# Altium PCB Camera-M-PCB.PcbDoc (part 1 of 2)
Units mil, origin at the board's own origin, x right, y up, seen from the top; angles counter-clockwise.
Board outline 1377.95 x 1968.5 mil, 4 copper layers (Top Layer, GND02, ART03, Bottom Layer), stack 23.756 mil thick; 131 components, 85 nets, 466 pads, 261 vias.
Unrouted connection lines stored in the file: 96.
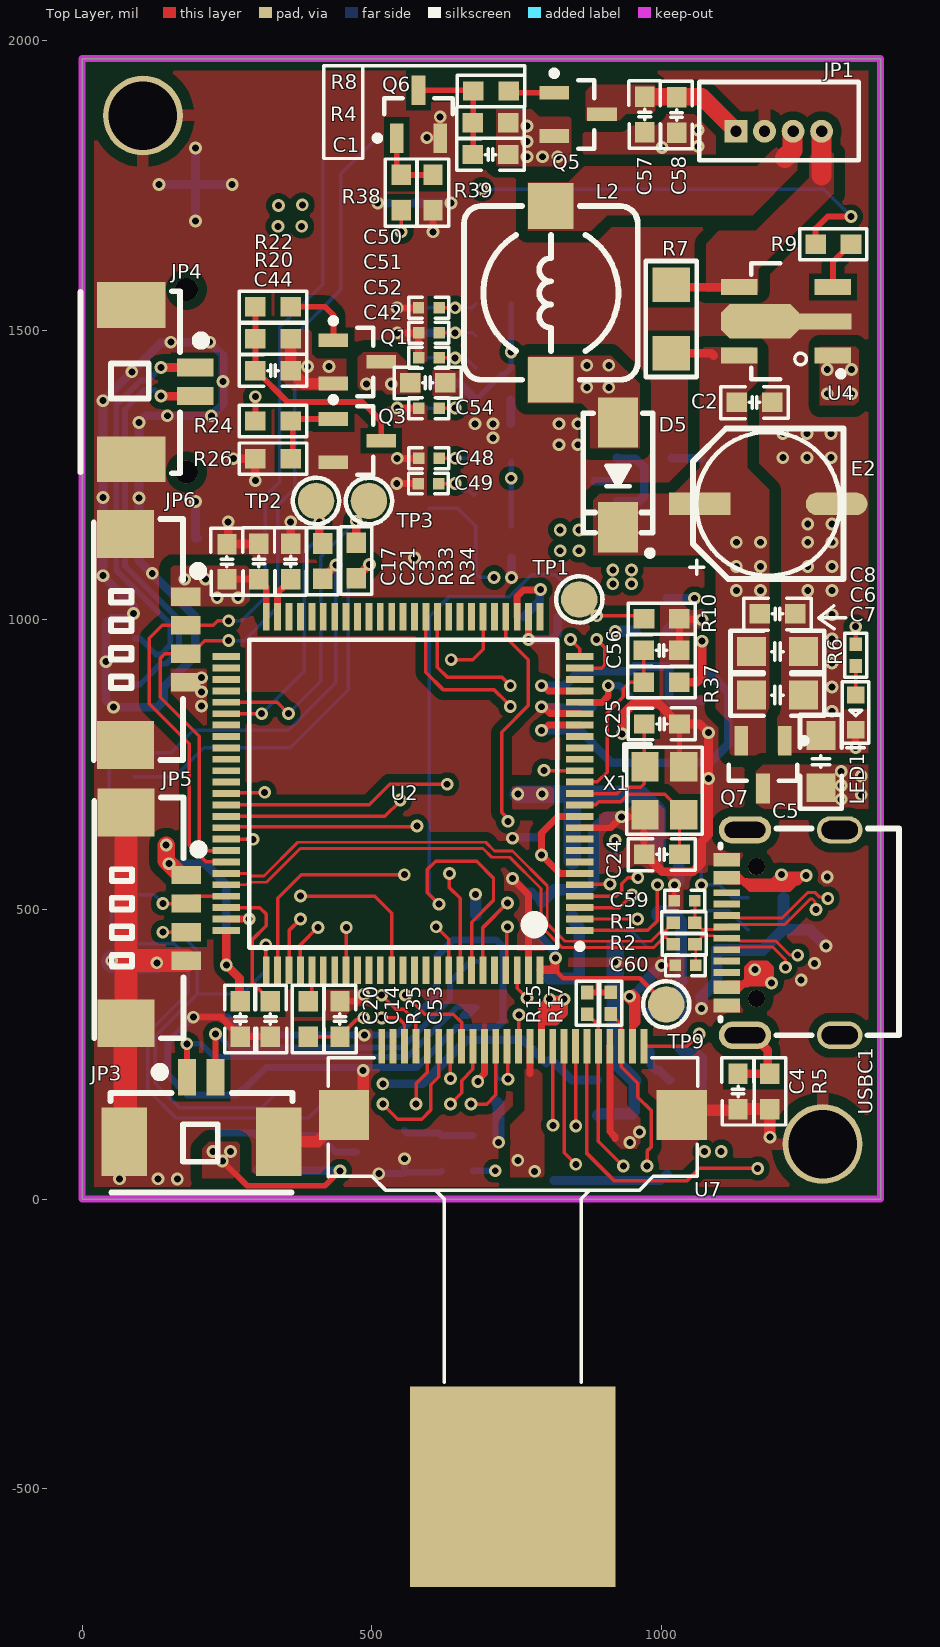
[diagram p0: Top Layer view]
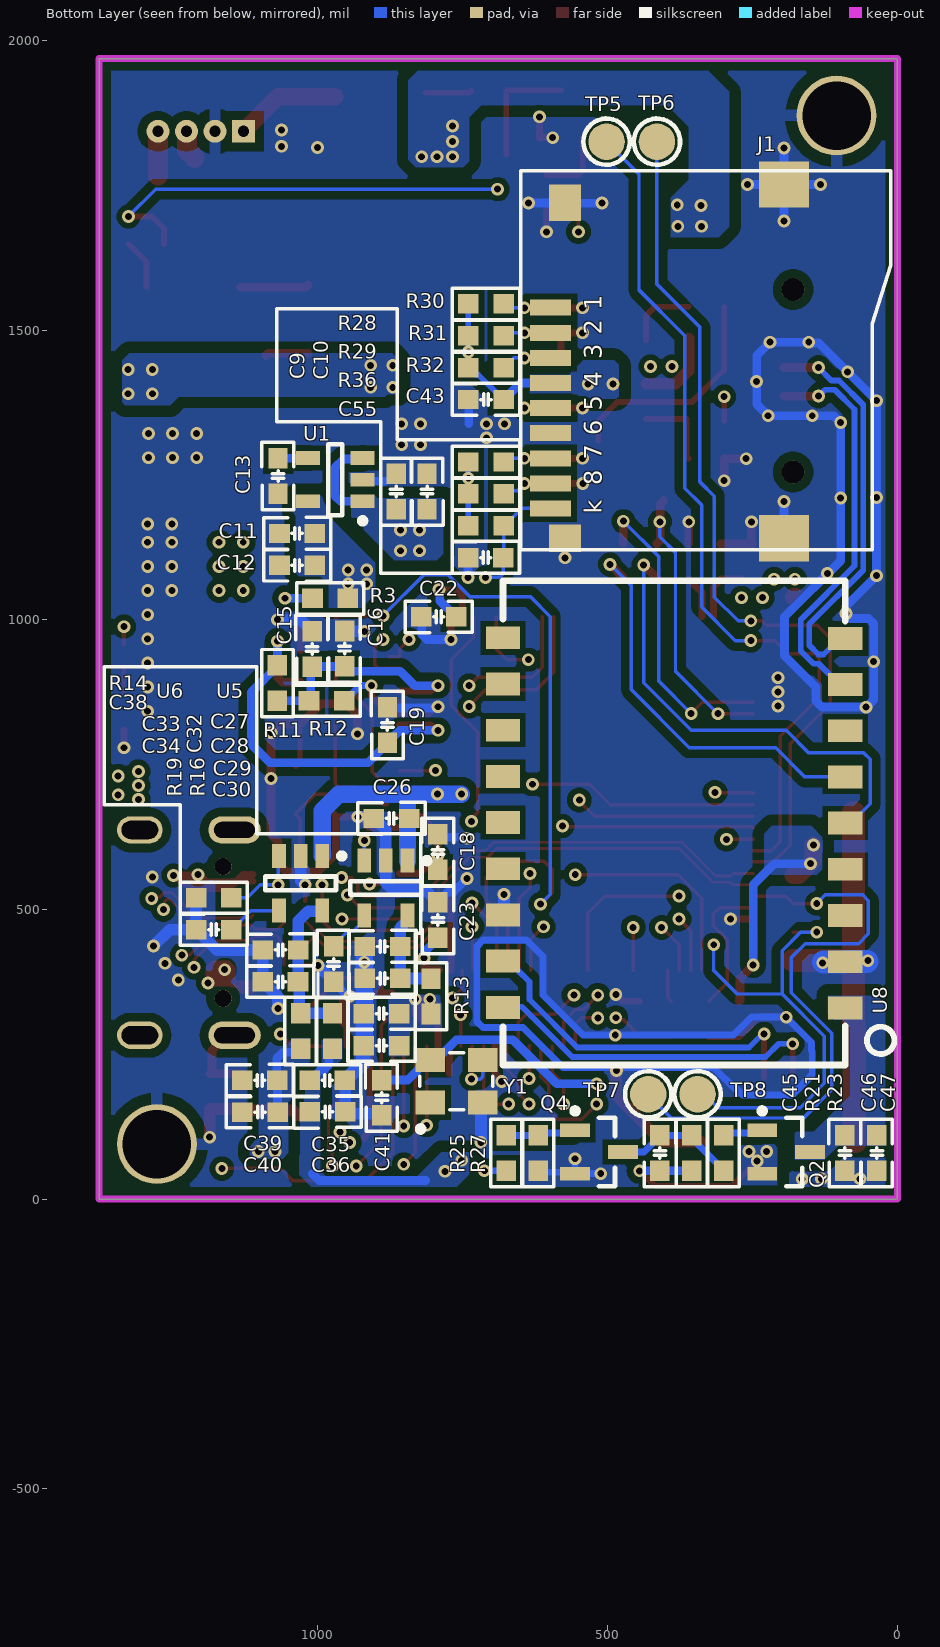
[diagram p1: Bottom Layer view, seen from below]
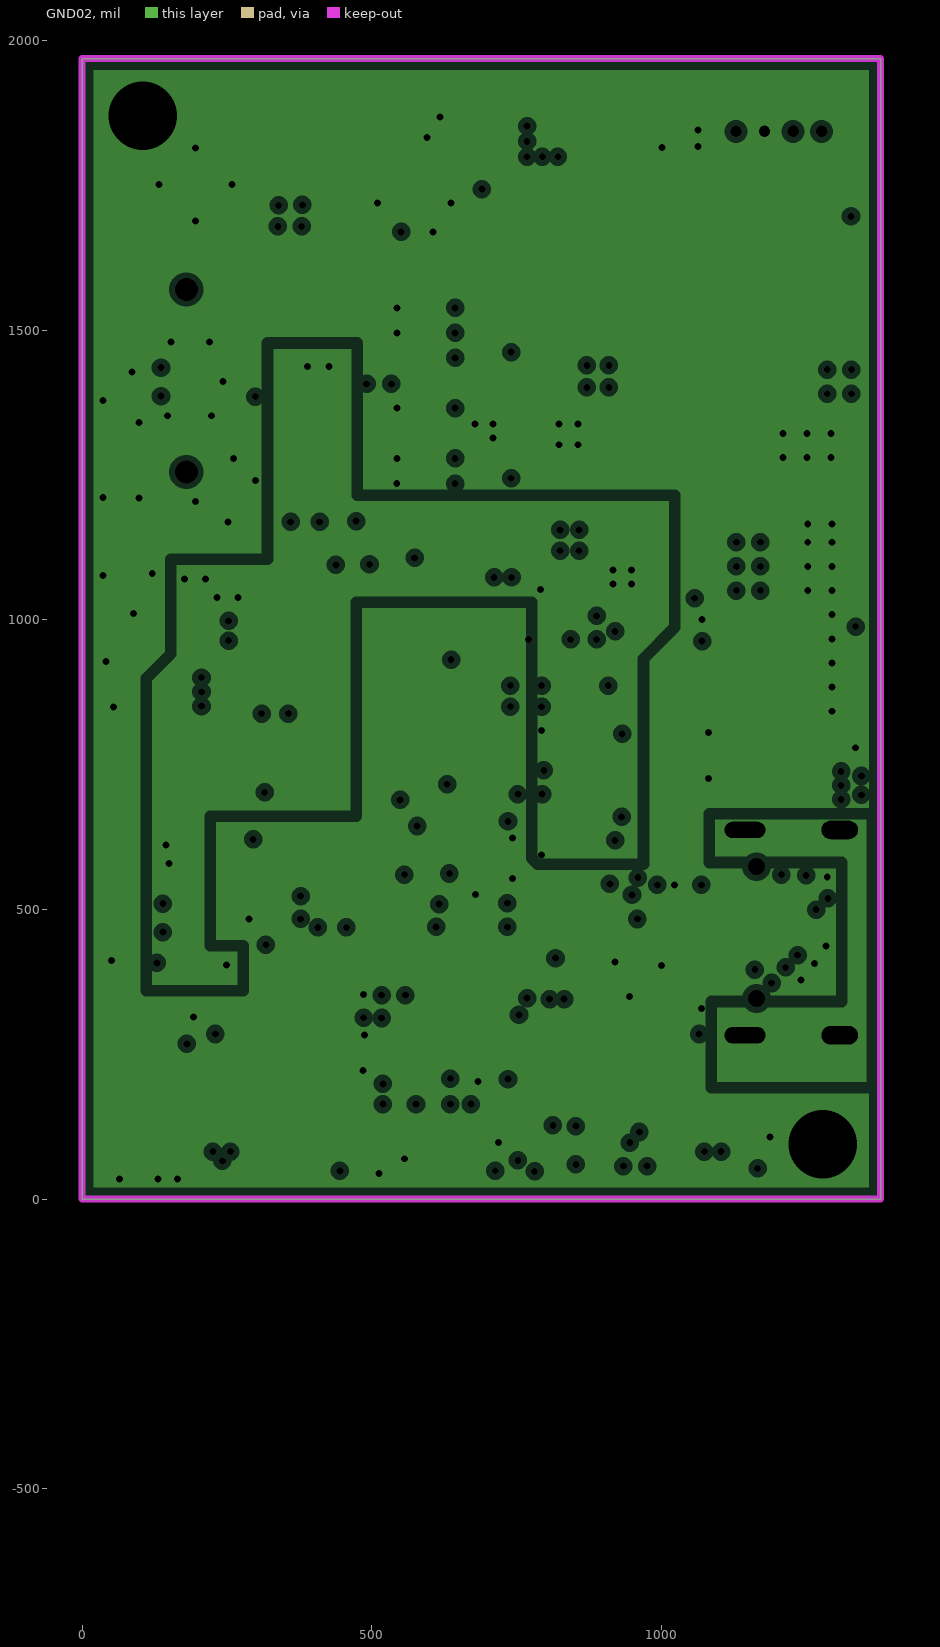
[diagram p2: GND02, clearances drawn from the general rule]
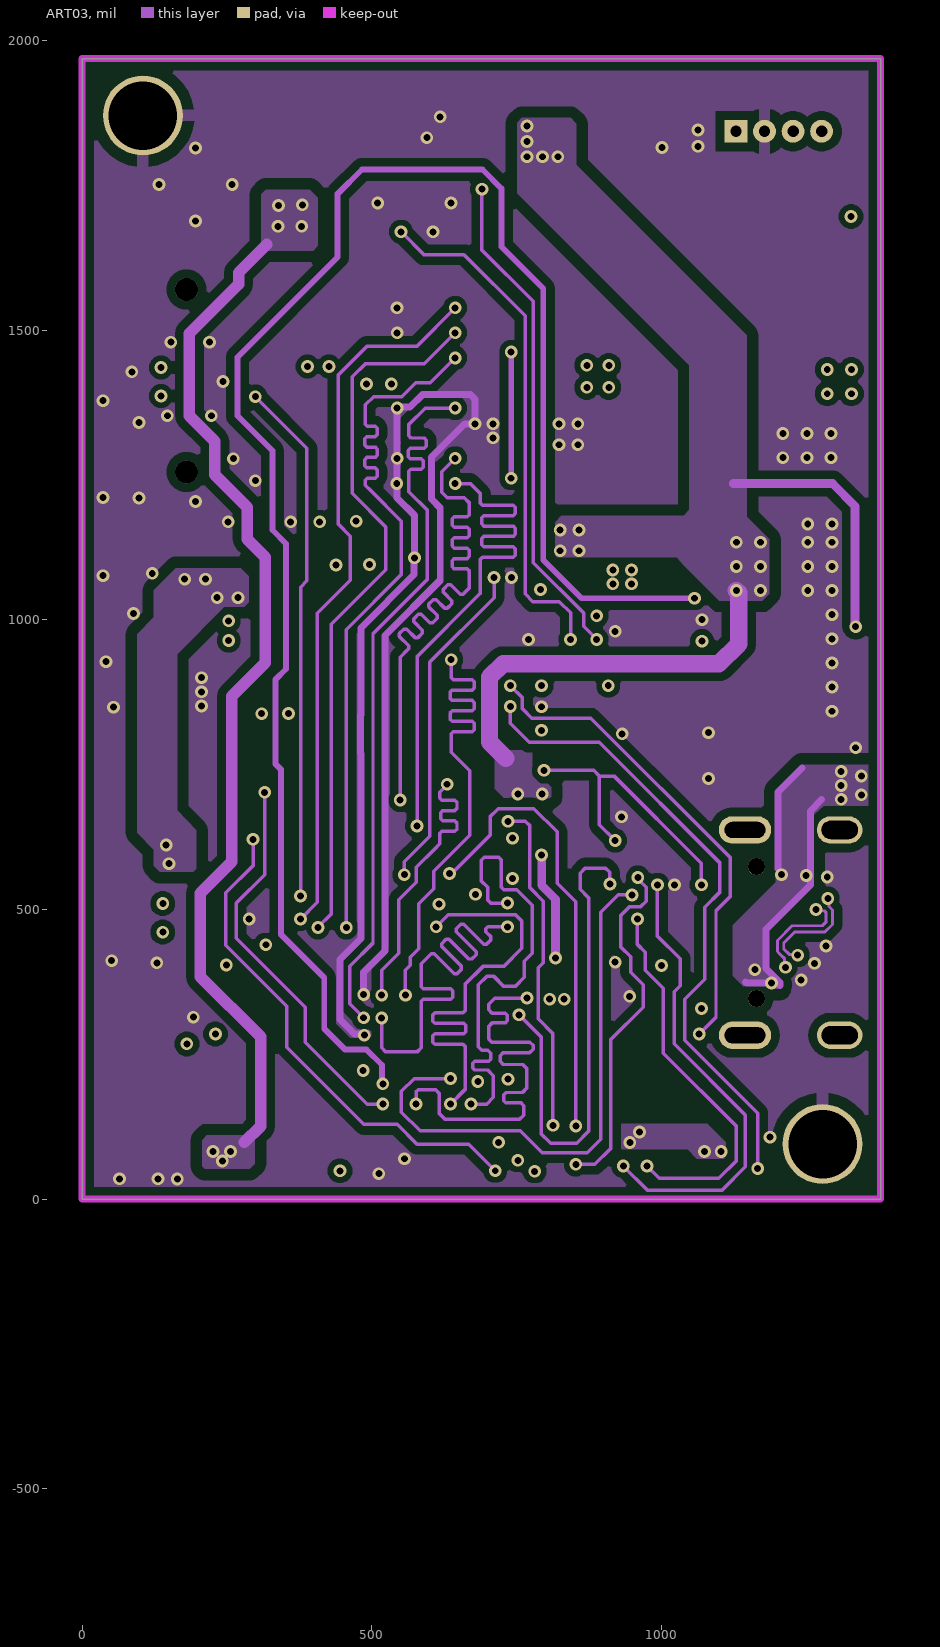
[diagram p3: ART03]
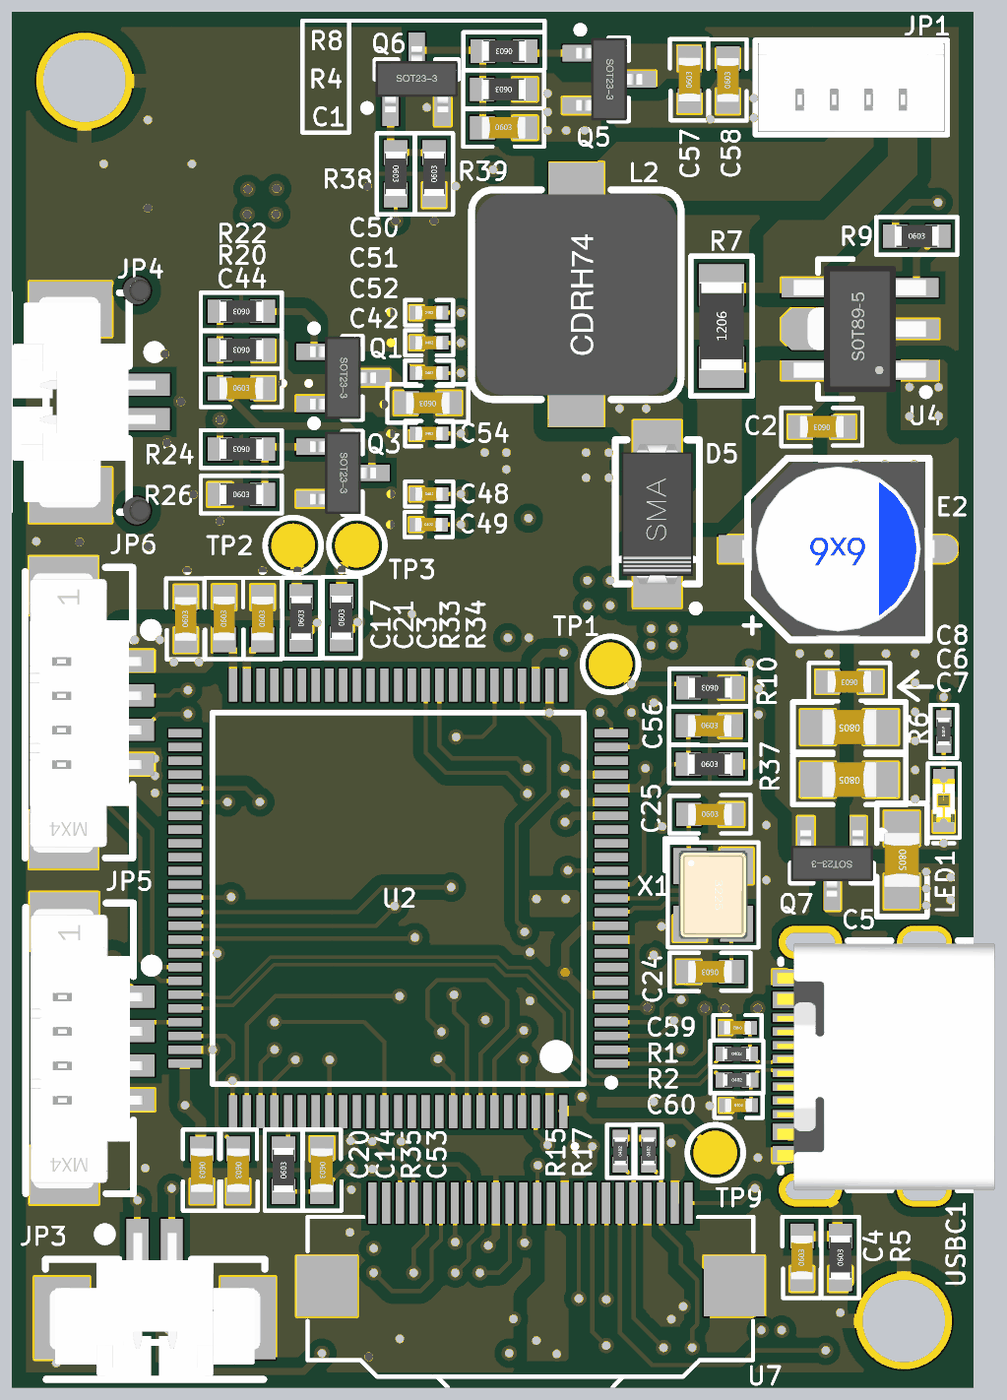
[diagram p5: 3D render of the assembled board from above, using the file's embedded part models]
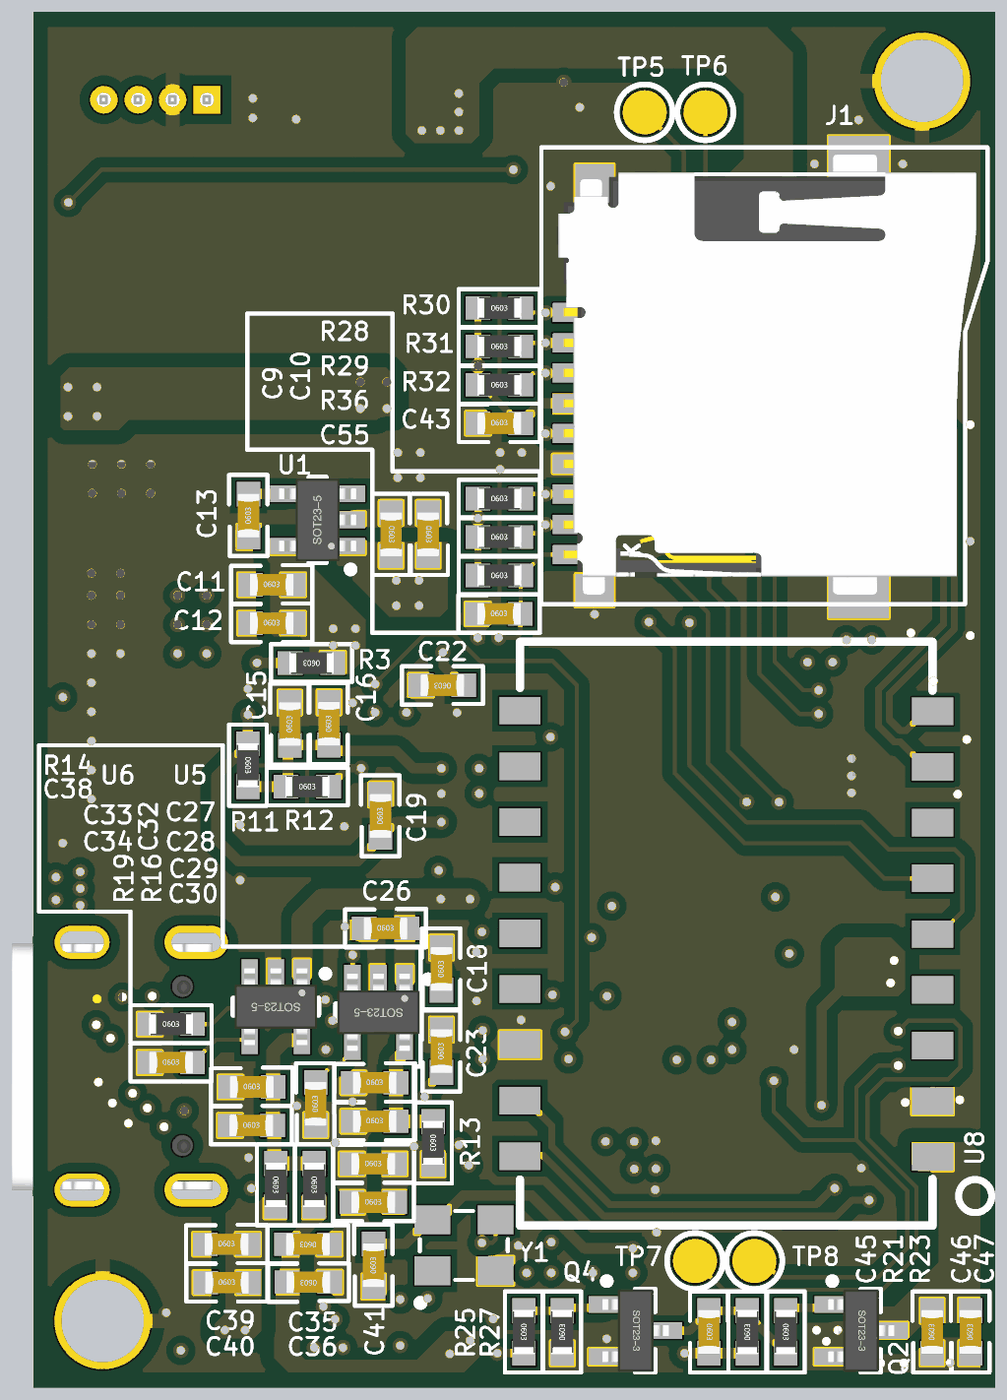
[diagram p6: 3D render of the assembled board from below, using the file's embedded part models]

## Layer stack, top to bottom
Top Solder: solder mask 0.4, Solder Resist, Dk 3.5
Top Layer: signal copper 1.4
Dielectric 2: prepreg 2.8, PP-006, Dk 4.1
GND02: plane copper 1.378, net (Multiple Nets)
Dielectric 1: dielectric 12.6, FR-4, Dk 4.8
ART03: signal copper 1.378
Dielectric 3: prepreg 2.8, PP-006, Dk 4.1
Bottom Layer: signal copper 1.4
Bottom Solder: solder mask 0.4, Solder Resist, Dk 3.5

## Board outline
0,0 0,1968.5 1377.95,1968.5 1377.95,0

## Design rules (kind name [scope] priority, off if disabled: settings)
Clearance [All] p1: gap=6 ignorepadtopadclearanceinfootprint=TRUE except(5: Arc-Arc Arc-Track Arc-THPad Arc-Via Track-Track Track-THPad Track-Via; 10: SMDPad-Fill SMDPad-Poly SMDPad-Region Via-Fill Via-Poly Via-Region; 15: Arc-Fill Arc-Poly Arc-Region Track-Fill Track-Poly Track-Region THPad-Fill THPad-Poly THPad-Region; 20: Fill-Fill Fill-Poly Fill-Region Poly-Poly Poly-Region Region-Region)
DiffPairsRouting [InDifferentialPair('USB1')] p1: maxlimit=12 minlimit=6 mostfreqgap=6 toplayer_minwidth=5 toplayer_maxwidth=5 toplayer_prefwidth=5 midlayer1_minwidth=5 midlayer1_maxwidth=5 midlayer1_prefwidth=5 bottomlayer_minwidth=5 bottomlayer_maxwidth=5 bottomlayer_prefwidth=5 maxuncoupledlength=500
DiffPairsRouting DiffPairsRouting_2 [InDifferentialPair('USB2')] p2: maxlimit=12 minlimit=6 mostfreqgap=6 toplayer_minwidth=5 toplayer_maxwidth=5 toplayer_prefwidth=5 midlayer1_minwidth=5 midlayer1_maxwidth=5 midlayer1_prefwidth=5 bottomlayer_minwidth=5 bottomlayer_maxwidth=5 bottomlayer_prefwidth=5 maxuncoupledlength=500
HoleToHoleClearance [All] p1: gap=0 allowstackedmicrovias=TRUE
MinimumSolderMaskSliver [All] p1: minsoldermaskwidth=0
PlaneClearance [All] p1: clearance=10
PlaneConnect PlaneConnect_1 [InNet('EXT_GND')] p1: planeconnectstyle=Direct reliefexpansion=20 reliefentries=4 reliefconductorwidth=10 reliefairgap=10
PlaneConnect [All] p2: pad.planeconnectstyle=Relief pad.reliefexpansion=20 pad.reliefentries=4 pad.reliefconductorwidth=20 pad.reliefairgap=10 via.planeconnectstyle=Direct via.reliefexpansion=20 via.reliefentries=4 via.reliefconductorwidth=10 via.reliefairgap=10
PolygonConnect [All] p1: thpad.connectstyle=Relief thpad.reliefconductorwidth=20 thpad.reliefentries=4 thpad.polygonreliefangle="90 Angle" thpad.airgapwidth=20 smdpad.connectstyle=Direct smdpad.reliefconductorwidth=10 smdpad.reliefentries=4 smdpad.polygonreliefangle="90 Angle" smdpad.airgapwidth=10 via.connectstyle=Direct via.reliefconductorwidth=10 via.reliefentries=4 via.polygonreliefangle="90 Angle" via.airgapwidth=10
RoutingVias [All] p1: holewidth=12 width=22 viastyle="Through Hole" minholewidth=12 minwidth=22 maxholewidth=12 maxwidth=22
SilkToSolderMaskClearance [IsPad] p1: minsilkscreentomaskgap=0 clearancetoexposedcopper=TRUE
SolderMaskExpansion [All] p1: expansion=2.5 istentingtop=FALSE
Width Width_POWER [InNetClass('POWER')] p1: maxlimit=60 minlimit=8 preferedwidth=15
Width [All] p2: maxlimit=15 minlimit=6 preferedwidth=6
24 further rules are at their usual default settings.

## Classes and differential pairs
net class POWER: AVDD DOVDD DVDD EXT_GND GND LED+ LED- USB_VBUS VCC_1V3 VCC_2V8 VCC_3V3 VCC_IN VCC_LED VCC_TF VCC_VOICE VCPU VDDA
component class 05-MCU_02: C3 C14 C15 C16 C17 C18 C19 C20 C21 C22 C23 C24 C25 C56 R10 R11 R12 R37 TP1 TP9 X1
component class 04-TFCard_SU03T: C42 C43 C44 C45 C46 C47 C48 C49 C50 C51 C52 C53 C54 C55 J1 JP3 JP4 Q1 Q2 Q3 Q4 R20 R21 R22 R23 R24 R25 R26 R27 R28 R29 R30 R31 R32 R33 R34 R35 R36 TP2 TP3 U8
component class 03-CameraSensor: C26 C27 C28 C29 C30 C32 C33 C34 C35 C36 C38 C39 C40 C41 R13 R14 R15 R16 R17 R19 U5 U6 U7 Y1
component class 02-MCU_01: JP5 JP6 TP5 TP6 TP7 TP8 U2
component class 01-Power: C1 C2 C4 C5 C6 C7 C8 C9 C10 C11 C12 C13 C57 C58 C59 C60 D5 E2 JP1 L2 LED1 Q5 Q6 Q7 R1 R2 R3 R4 R5 R6 R7 R8 R9 R38 R39 U1 U4 USBC1
differential pair USB2: +USB_DP -USB_DM
differential pair USB1: +DP -DM

## Components (designator, comment, footprint, x,y, rotation, side; value= is the part's Value field where it differs from the comment)
C1 "10nF/NC" C0603_M 705.01,1802.87 r0 top
C2 "1uF" C0603_M 1160.51,1375 r180 top
C3 "2.2uF" C0603_M 360,1100.51 r90 top
C4 "0.1uF" C0603_M 1132,186 r90 top
C5 "22uF" C0805_M 1275,755 r270 top
C6 "22uF" C0805_M 1200,945 r180 top
C7 "22uF" C0805_M 1200,870 r180 top
C8 "100nF" C0603_M 1200,1010 r180 top
C9 "10uF" C0603_M 865,1221 r270 bottom
C10 "100nF" C0603_M 811.83,1221 r270 bottom
C11 "10uF" C0603_M 1035.93,1148.83 r180 bottom
C12 "100nF" C0603_M 1035.93,1093.83 r180 bottom
C13 "10nF/NC" C0603_M 1069,1248 r90 bottom
C14 "2.2uF" C0603_M 325,311 r270 top
C15 "10uF" C0603_M 1010,949.49 r90 bottom
C16 "100nF" C0603_M 954,950 r90 bottom
C17 "10uF" C0603_M 250,1100 r90 top
C18 "100nF" C0603_M 793,599 r90 bottom
C19 "100nF" C0603_M 880.12,818.11 r90 bottom
C20 "100nF" C0603_M 273,311 r270 top
C21 "100nF" C0603_M 305,1100.51 r90 top
C22 "100nF" C0603_M 791.54,1005.12 r0 bottom
C23 "100nF" C0603_M 793,481.52 r90 bottom
C24 "12pF" C0603_M 1000.51,595 r180 top
C25 "12pF" C0603_M 1000.52,820 r0 top
C26 "2.2uF" C0603_M 873,657 r180 bottom
C27 "10uF" C0603_M 888.51,436 r180 bottom
C28 "100nF" C0603_M 888.51,381 r180 bottom
C29 "10uF" C0603_M 890.51,320 r180 bottom
C30 "100nF" C0603_M 890.51,265 r180 bottom
C32 "10nF/NC" C0603_M 973,406 r90 bottom
C33 "10uF" C0603_M 1064.49,430 r180 bottom
C34 "100nF" C0603_M 1065,375 r180 bottom
C35 "10uF" C0603_M 984,205 r0 bottom
C36 "100nF" C0603_M 983.35,150.72 r0 bottom
C38 "10nF/NC" C0603_M 1180,465 r180 bottom
C39 "10uF" C0603_M 1100.51,205 r180 bottom
C40 "100nF" C0603_M 1100,150 r180 bottom
C41 "100nF" C0603_M 890,175 r90 bottom
C42 "1uF" C0603_M 596.48,1409 r180 top
C43 "100nF" C0603_M 710,1380 r180 bottom
C44 "10nF/NC" C0603_M 329.49,1430 r0 top
C45 "10nF/NC" C0603_M 410,79.41 r270 bottom
C46 "10uF" C0603_M 90.57,79.41 r90 bottom
C47 "100nF" C0603_M 35.57,79.41 r90 bottom
C48 "NC" C0402_L 598.39,1278.62 r0 top
C49 "NC" C0402_L 597.72,1235 r0 top
C50 "NC" C0402_L 598.32,1538.21 r0 top
C51 "NC" C0402_L 598.39,1495.16 r0 top
C52 "NC" C0402_L 598.39,1451.85 r0 top
C53 "NC" C0603_M 445,311 r270 top
C54 "NC" C0402_L 598.39,1365.24 r0 top
C55 "10nF/NC" C0603_M 710.51,1107.13 r180 bottom
C56 "100nF" C0603_M 1000,947 r0 top
C57 "10uF" C0603_M 971.03,1871.75 r90 top
C58 "100nF" C0603_M 1026.03,1871.24 r90 top
C59 "NC" C0402_L 1039.89,514.88 r180 top
C60 "NC" C0402_L 1041.27,403.78 r0 top
D5 "SS34" SMA 925,1250 r270 top
E2 "100uF/16V" "CS 6*6 - B" 1184,1200 r180 top
J1 "TF_Card" "Micro SD" 180,1412.48 r90 bottom locked
JP1 "HDR-1X4" MX1.25-L-4P 1202.79,1843 r0 top
JP3 "HDR-1X2" MX1.25-WT-2P 205.94,99.35 r0 top
JP4 "HDR-1X2" MX1.25-WT-2P 85,1410 r270 top
JP5 "HDR-1X4" MX1.25-LT-4P 91,484.85 r270 top
JP6 "HDR-1X4" MX1.25-LT-4P 90,965.28 r270 top
L2 "33uH" CDRH74 809,1564 r90 top
LED1 "电源指示灯" LED0603_G 1335,840 r270 top
Q1 "SI2301" SOT23-3N 475,1445 r270 top
Q2 "SI2301" SOT23-3N 192.16,81.33 r270 bottom
Q3 "MMBT3904" SOT23-3N 475,1309 r270 top
Q4 "MMBT3904" SOT23-3N 515,81.33 r270 bottom
Q5 "SI2301" SOT23-3N 856.03,1872.24 r270 top
Q6 "MMBT3904" SOT23-3N 580.52,1872.56 r0 top
Q7 "SI2301" SOT23-3N 1175,750 r180 top
R1 "10R" R0402_M 1038.73,477.25 r0 top
R2 "10R" R0402_M 1039,440 r0 top
R3 "0R" R0603_M 978.99,1036.83 r0 bottom
R4 "100K" R0603_M 705,1857.87 r180 top
R5 "1M" R0603_M 1187,186 r90 top
R6 "4.7K" R0402_M 1335,938.7 r90 top
R7 "0.1R" R1206_M 1017,1519 r90 top
R8 "10K" R0603_M 705.52,1912.56 r180 top value=1K
R9 "10K" R0603_M 1296.49,1648 r0 top
R10 "10K" R0603_M 1000.23,1001.5 r180 top
R11 "0R" R0603_M 1070,890.51 r270 bottom
R12 "0R" R0603_M 985,860 r180 bottom
R13 "0R" R0603_M 805,350 r270 bottom
R14 "10K" R0603_M 1180,520 r180 bottom
R15 "4.7K" R0402_M 872,338 r90 top
R16 "0R" R0603_M 975,290 r270 bottom
R17 "4.7K" R0402_M 912.6,338.09 r90 top
R19 "0R" R0603_M 1030,290 r270 bottom
R20 "100K" R0603_M 329.49,1485 r180 top
R21 "100K" R0603_M 355,79.41 r90 bottom
R22 "1K" R0603_M 329.49,1540 r180 top
R23 "1K" R0603_M 300,79.41 r270 bottom
R24 "1K" R0603_M 329.48,1343 r180 top
R25 "1K" R0603_M 675,79.41 r270 bottom
R26 "10K" R0603_M 329.49,1278 r0 top
R27 "10K" R0603_M 620,79.41 r90 bottom
R28 "47K" R0603_M 710,1272.13 r180 bottom
R29 "47K" R0603_M 710,1217.13 r180 bottom
R30 "47K" R0603_M 710,1545 r180 bottom
R31 "47K" R0603_M 710,1490 r180 bottom
R32 "47K" R0603_M 710,1435 r180 bottom
R33 "0R" R0603_M 415,1101 r90 top
R34 "0R" R0603_M 473,1102 r90 top
R35 "10R" R0603_M 390,311 r90 top
R36 "4.7K/NC" R0603_M 710,1162.13 r180 bottom
R37 "10K" R0603_M 1000,892 r0 top